# Altium PCB FPGA_A3P10002.PcbDoc (part 1 of 2)
Units mil, origin at the board's own origin, x right, y up, seen from the top; angles counter-clockwise.
Board outline 3712.6 x 3877.95 mil, 4 copper layers (Top Layer, GND_2, VCC_3, Bottom Layer), stack 23.756 mil thick; 104 components, 194 nets, 662 pads, 184 vias.
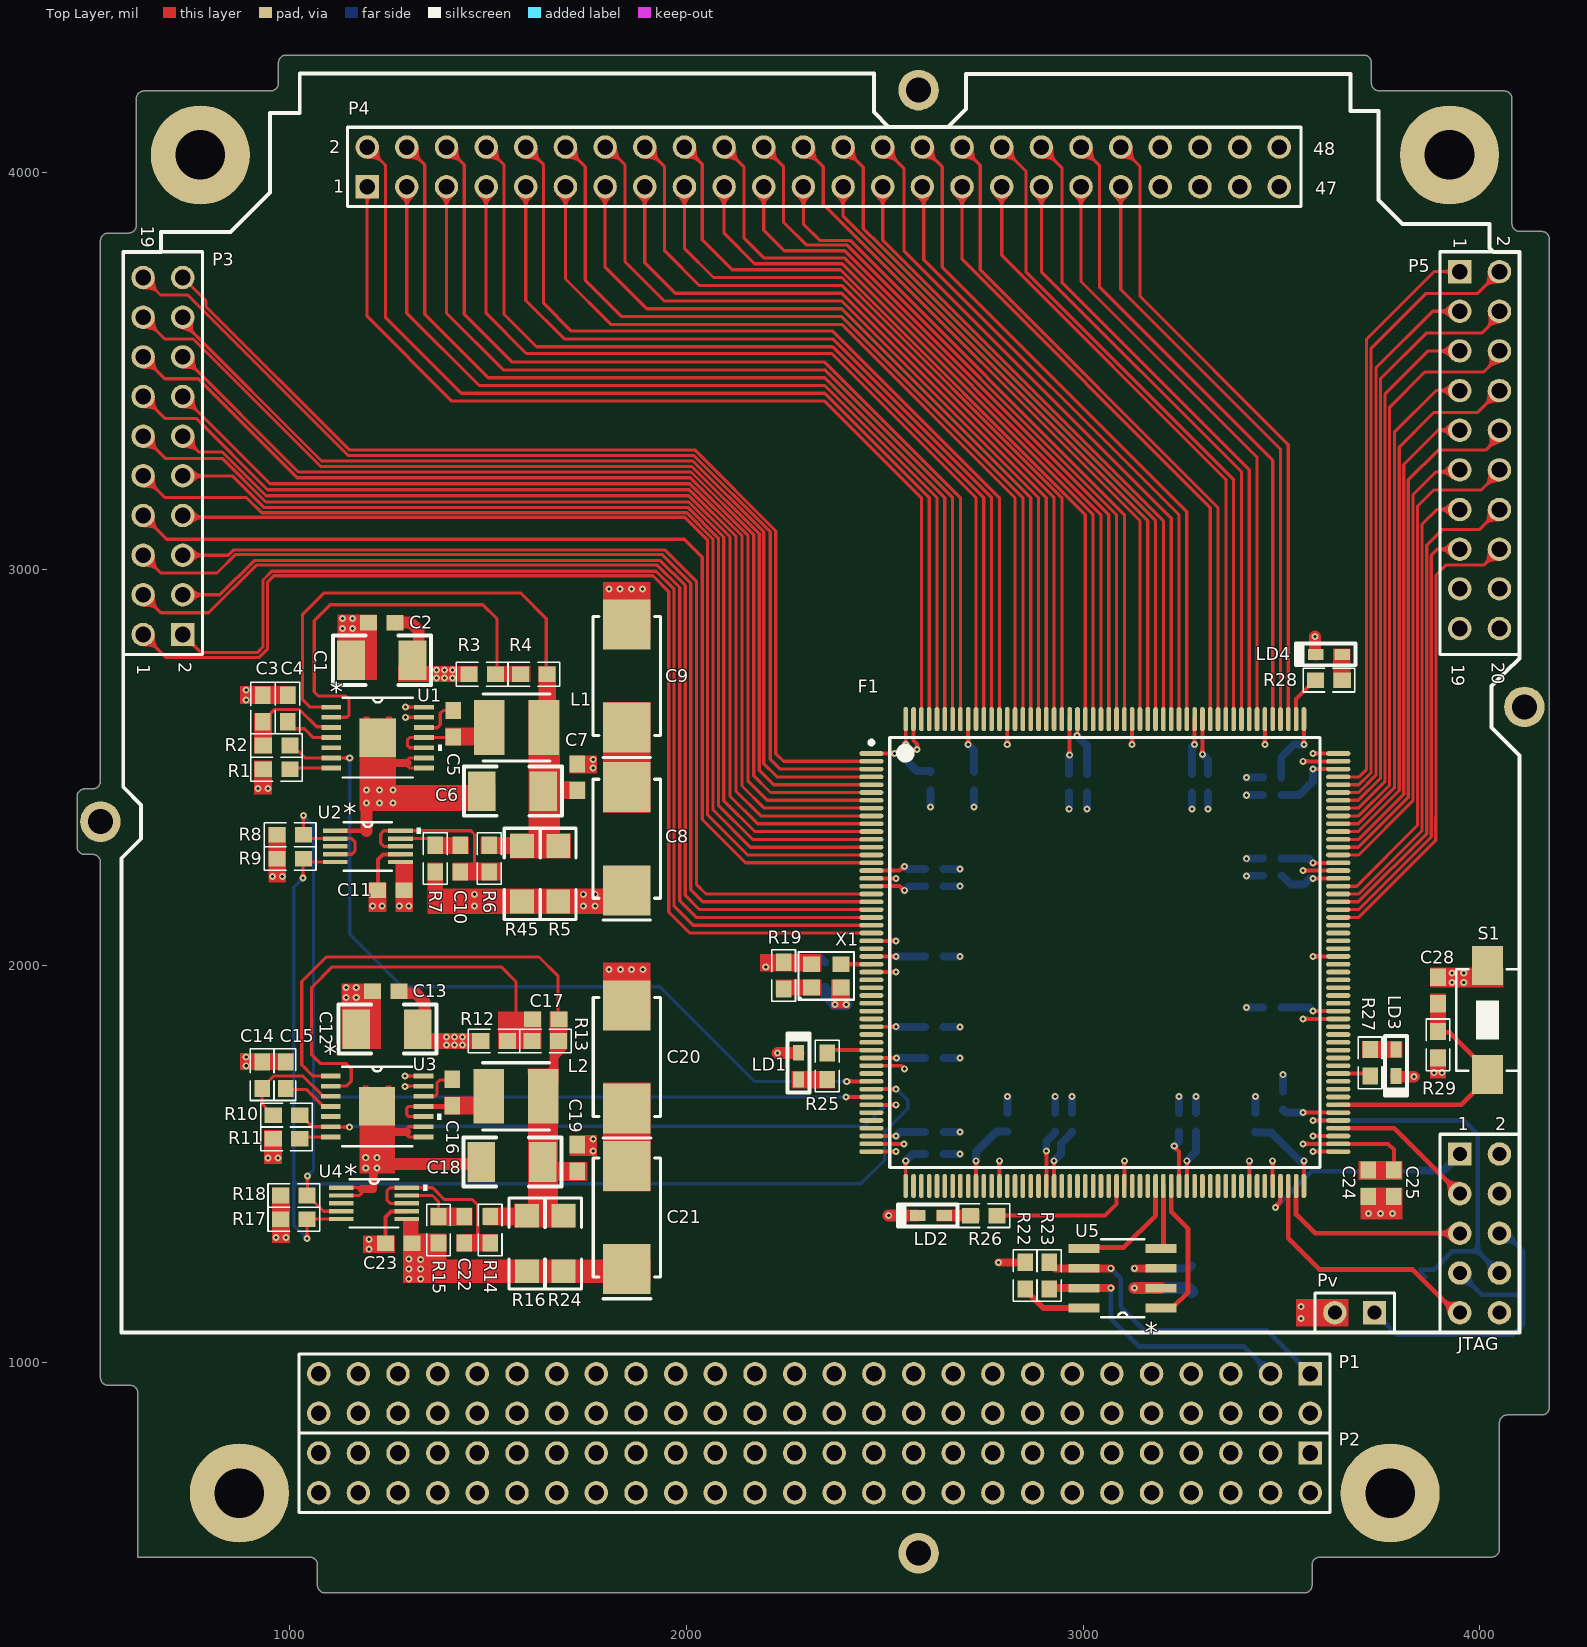
[diagram p0: Top Layer view]
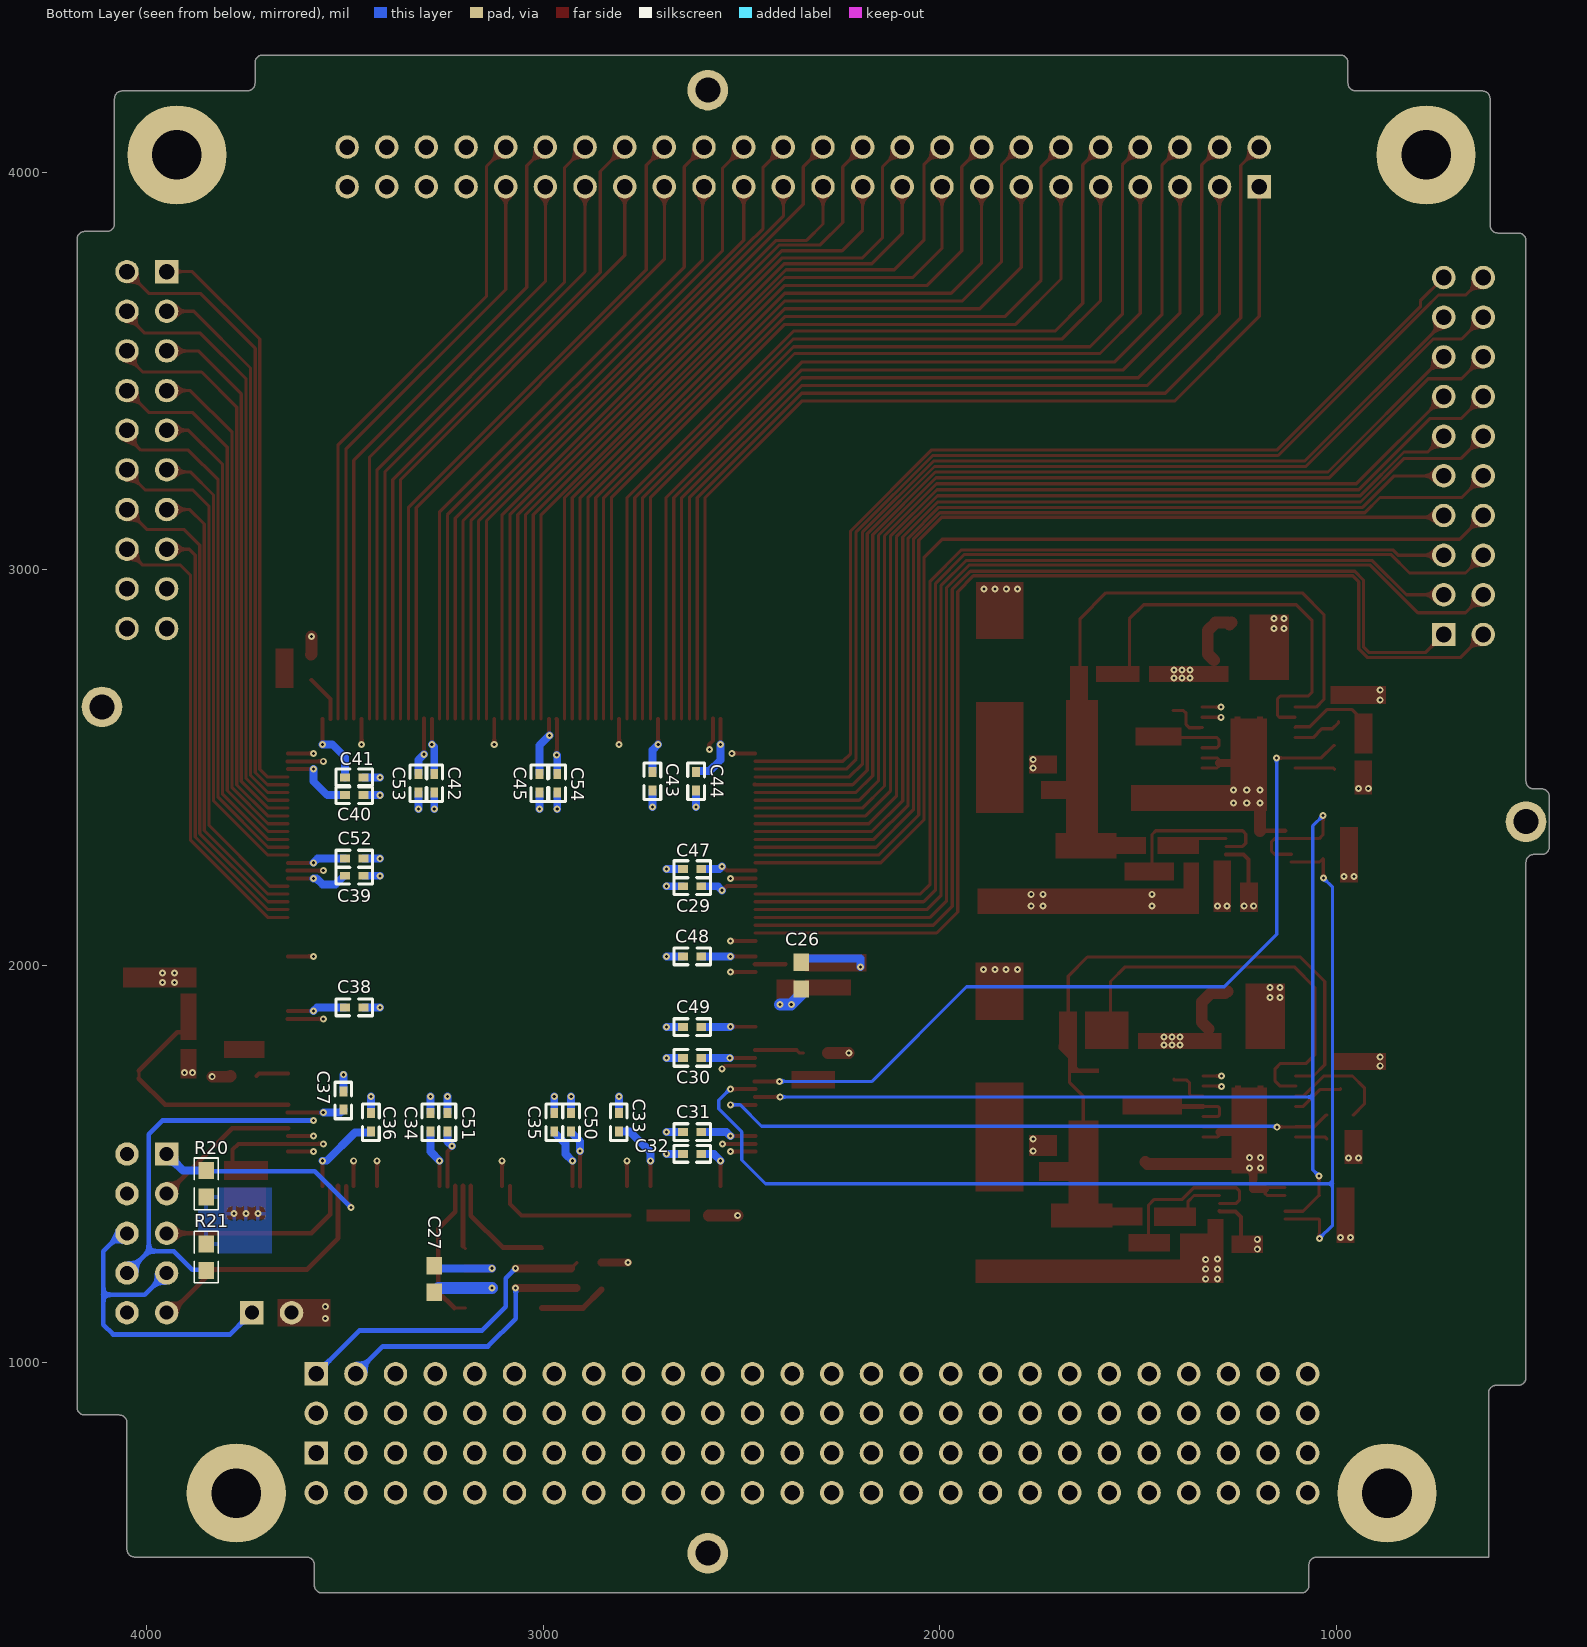
[diagram p1: Bottom Layer view, seen from below]
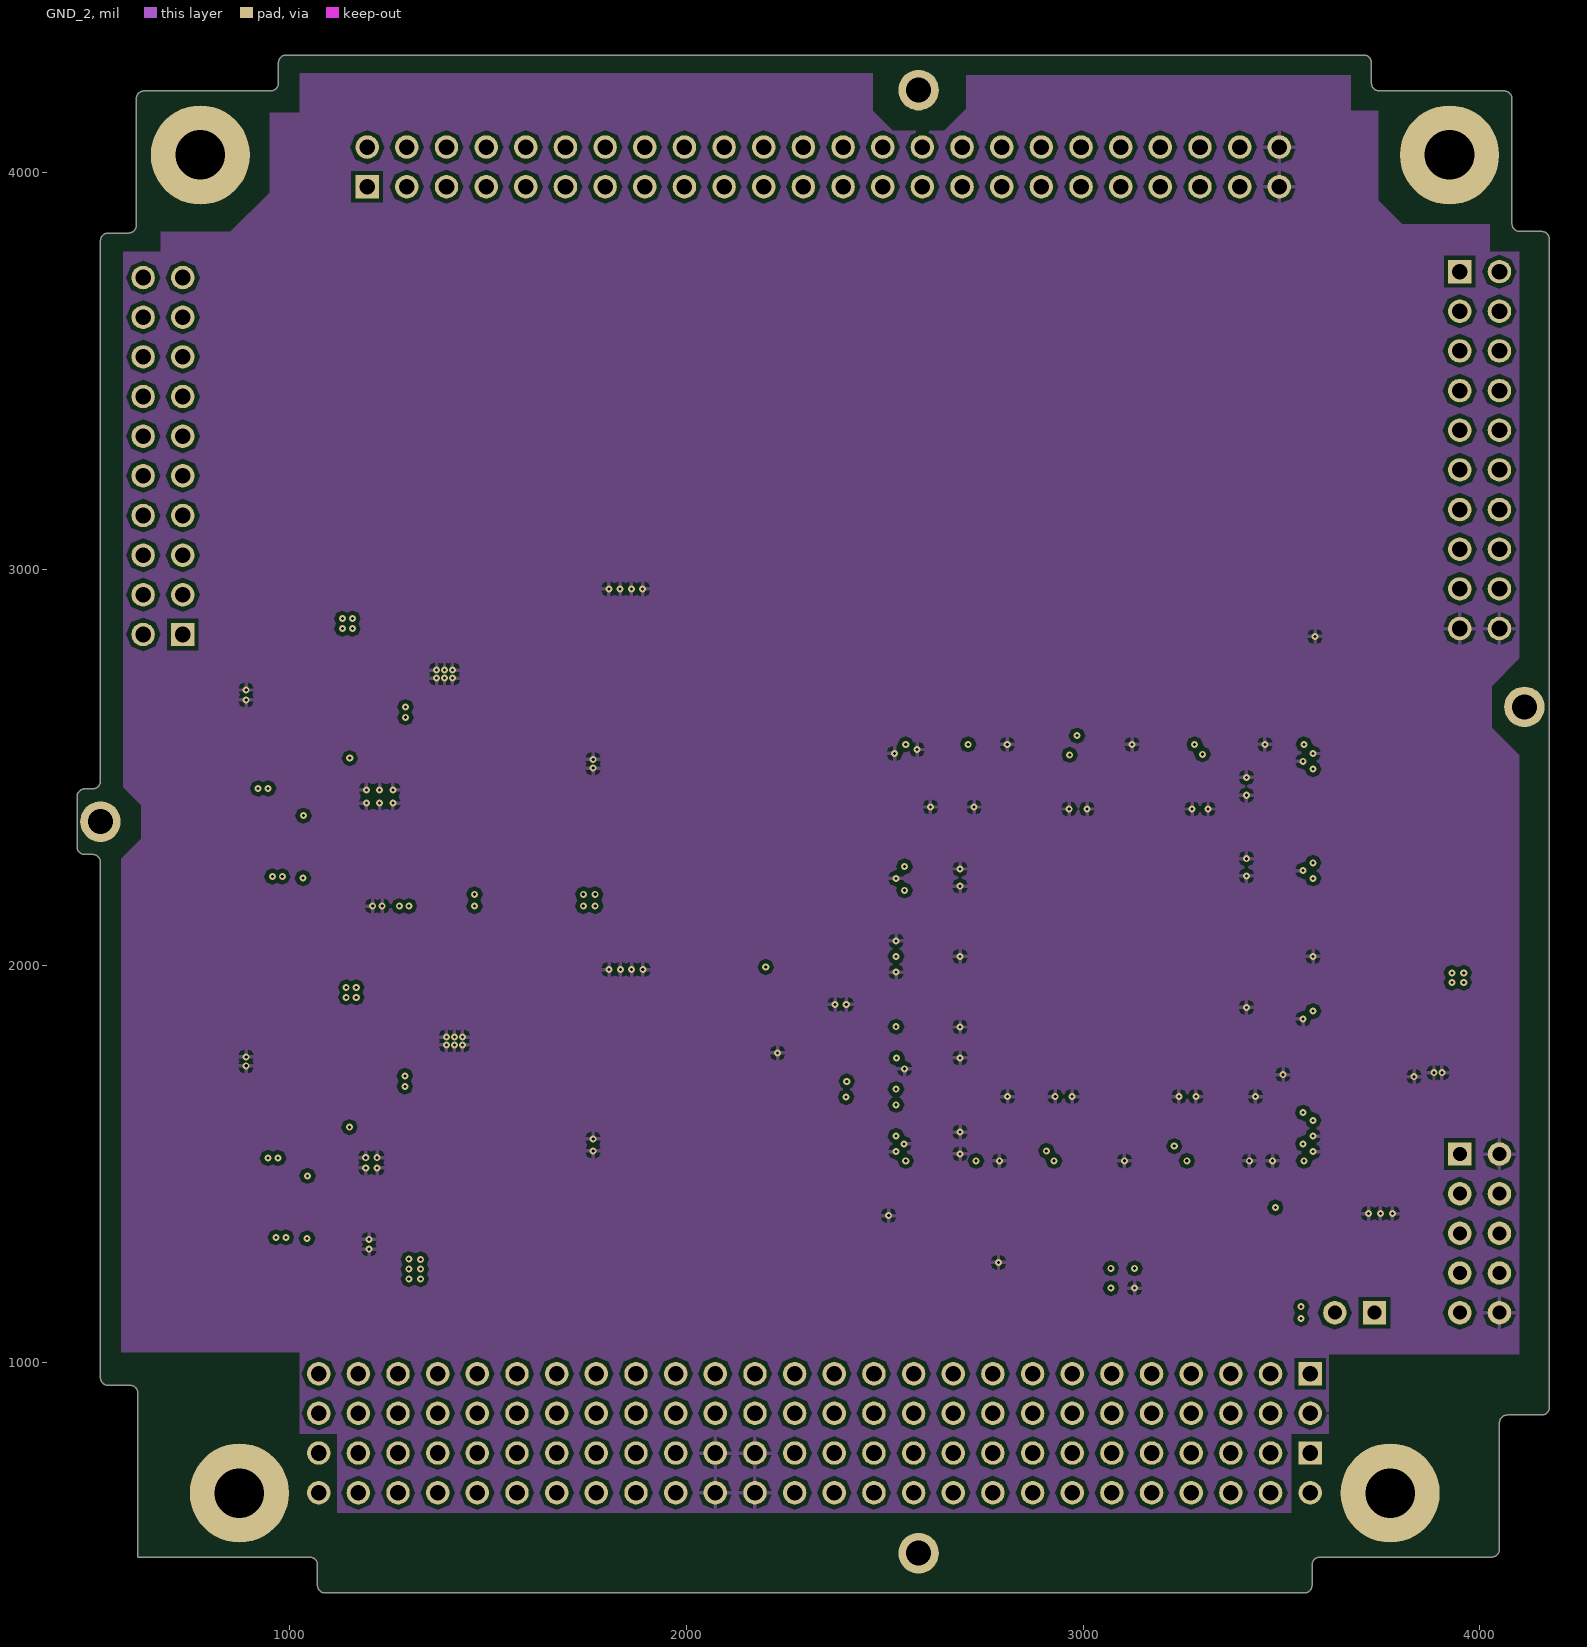
[diagram p2: GND_2]
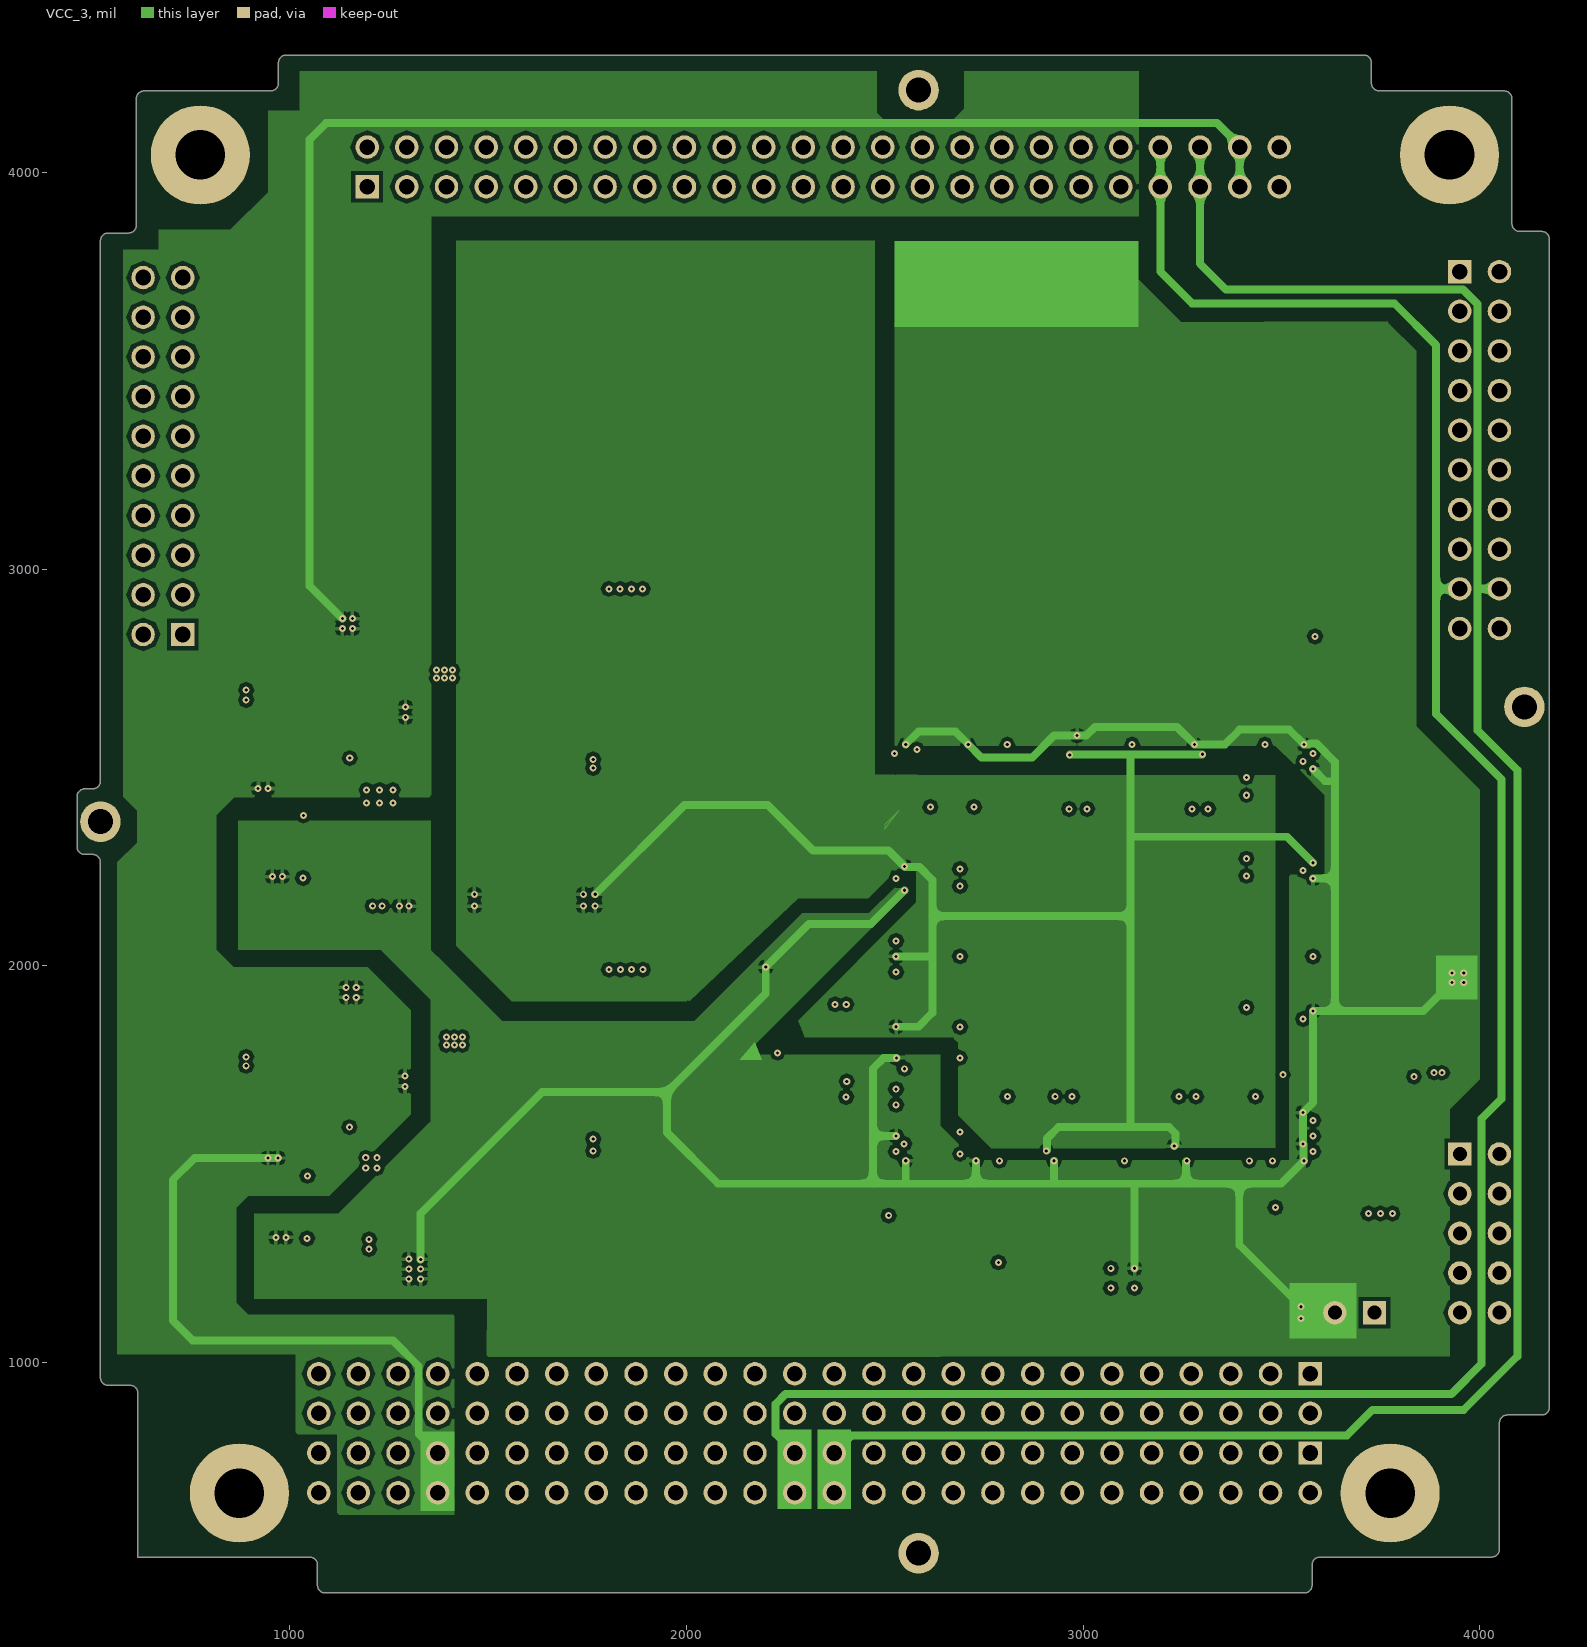
[diagram p3: VCC_3]
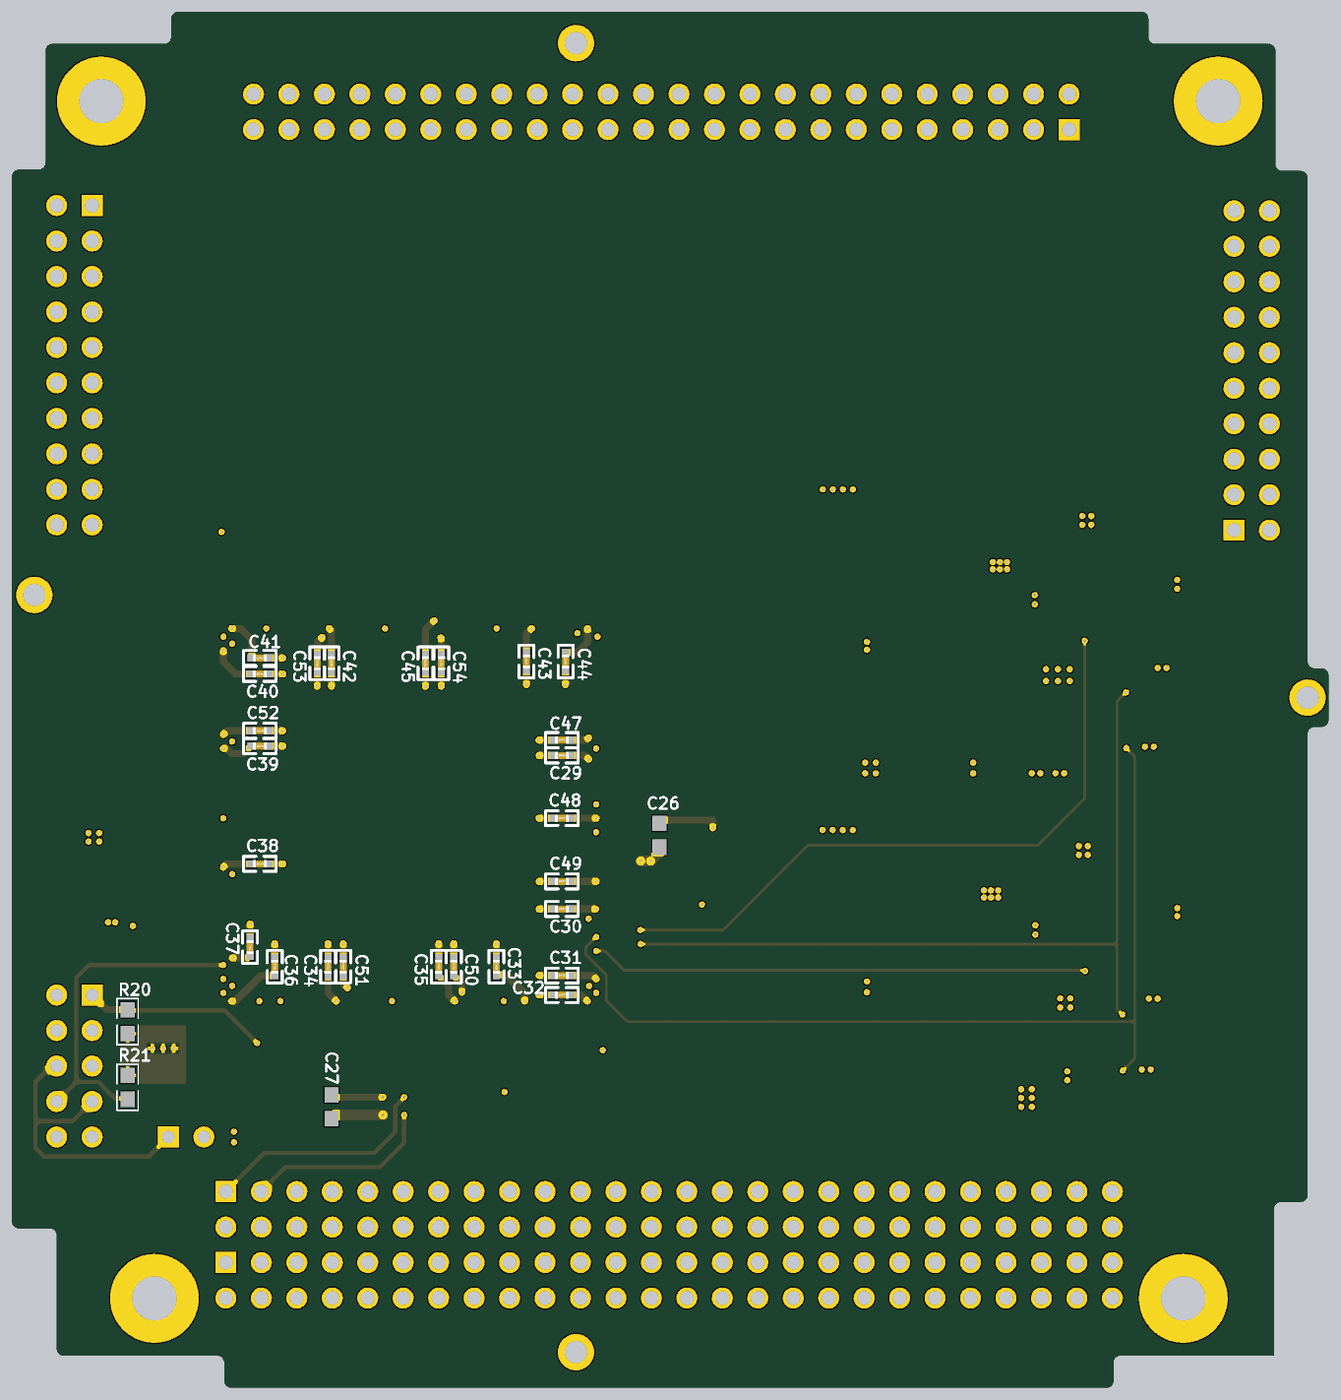
[diagram p5: 3D render of the assembled board from below, using the file's embedded part models]

## Layer stack, top to bottom
Top Solder: solder mask 0.4, Solder Resist, Dk 3.5
Top Layer: signal copper 1.4
Dielectric 2: prepreg 2.8, PP-006, Dk 4.1
GND_2: signal copper 1.3779
Dielectric 3: prepreg 2.8, PP-006, Dk 4.1
VCC_3: signal copper 1.3779
Dielectric 1: dielectric 12.6, FR-4, Dk 4.8
Bottom Layer: signal copper 1.4
Bottom Solder: solder mask 0.4, Solder Resist, Dk 3.5

## Board outline
522.44,961.5 522.44,2260.71 ccw(c502.76,2260.71) 502.76,2280.39 483.07,2280.39 cw(c483.07,2300.08) 463.39,2300.08 463.39,2426.06 cw(c483.07,2426.06) 483.07,2445.75 502.76,2445.75 ccw(c502.76,2465.43) 522.44,2465.43 522.44,3827.64 cw(c542.13,3827.64) 542.13,3847.32 593.31,3847.32 ccw(c593.31,3867.01) 612.99,3867.01 612.99,4185.91 cw(c632.68,4185.91) 632.68,4205.59 951.57,4205.59 ccw(c951.57,4225.28) 971.26,4225.28 971.26,4276.46 cw(c990.94,4276.46) 990.94,4296.14 3707.48,4296.14 cw(c3707.48,4276.46) 3727.17,4276.46 3727.17,4225.28 ccw(c3746.85,4225.28) 3746.85,4205.59 4061.81,4205.59 cw(c4061.81,4185.91) 4081.5,4185.91 4081.5,3870.94 ccw(c4101.18,3870.94) 4101.18,3851.26 4156.3,3851.26 cw(c4156.3,3831.57) 4175.98,3831.57 4175.98,886.69 cw(c4156.3,886.69) 4156.3,867.01 4069.68,867.01 ccw(c4069.68,847.32) 4050,847.32 4050,528.43 cw(c4030.31,528.43) 4030.31,508.74 3597.24,508.74 ccw(c3597.24,489.06) 3577.56,489.06 3577.56,437.87 cw(c3557.87,437.87) 3557.87,418.19 1089.37,418.19 cw(c1089.37,437.87) 1069.69,437.87 1069.68,437.87 1069.68,489.06 ccw(c1050,489.06) 1050,508.74 616.93,508.74 616.93,922.13 ccw(c597.24,922.13) 597.24,941.81 542.13,941.81 cw(c542.13,961.5)

## Design rules (kind name [scope] priority, off if disabled: settings)
Clearance [All] p1: gap=10 ignorepadtopadclearanceinfootprint=TRUE except(0: Arc-Hole Track-Hole SMDPad-Hole THPad-Hole Via-Hole Fill-Hole Poly-Hole Region-Hole Text-Hole; 3: Arc-Text Track-Text SMDPad-Text THPad-Text Via-Text Fill-Text Poly-Text Region-Text Text-Text; 3.5: Arc-Arc Arc-Track Track-Track; 5: Arc-SMDPad Arc-THPad Arc-Via Track-SMDPad Track-THPad Track-Via)
PolygonConnect [All] p1: connectstyle=Relief reliefconductorwidth=10 reliefentries=4 polygonreliefangle="90 Angle" airgapwidth=10
RoutingVias [All] p1: holewidth=28 width=50 viastyle="Through Hole" minholewidth=28 minwidth=50 maxholewidth=28 maxwidth=50
SilkToSilkClearance [All] p1 off: silktosilkclearance=10
SilkToSolderMaskClearance [IsPad] p1 off: minsilkscreentomaskgap=10 clearancetoexposedcopper=TRUE
SolderMaskExpansion [All] p1: expansion=4
UnRoutedNet [All] p1: checkbadconnections=TRUE
Width GND [InNetClass('GND')] p1: maxlimit=40 minlimit=8 preferedwidth=20
Width VCC [InNetClass('VCC')] p2: maxlimit=40 minlimit=8 preferedwidth=20
Width SIGNAL [InNetClass('All Nets')] p3: maxlimit=20 minlimit=8 preferedwidth=8
27 further rules are at their usual default settings.

## Classes and differential pairs
net class GND: GND
net class VCC: VCC_1V5 VCC_3V3 VOUT_3V3 VOUT_5V VOUT_BATT
